# Altium PCB Board.PcbDoc (part 1 of 2)
Units mil, origin at the board's own origin, x right, y up, seen from the top; angles counter-clockwise.
Board outline 3947.04 x 3947.04 mil, 2 copper layers (Top Layer, Bottom Layer); 271 components, 195 nets, 853 pads, 8 vias.
Unrouted connection lines stored in the file: 527.
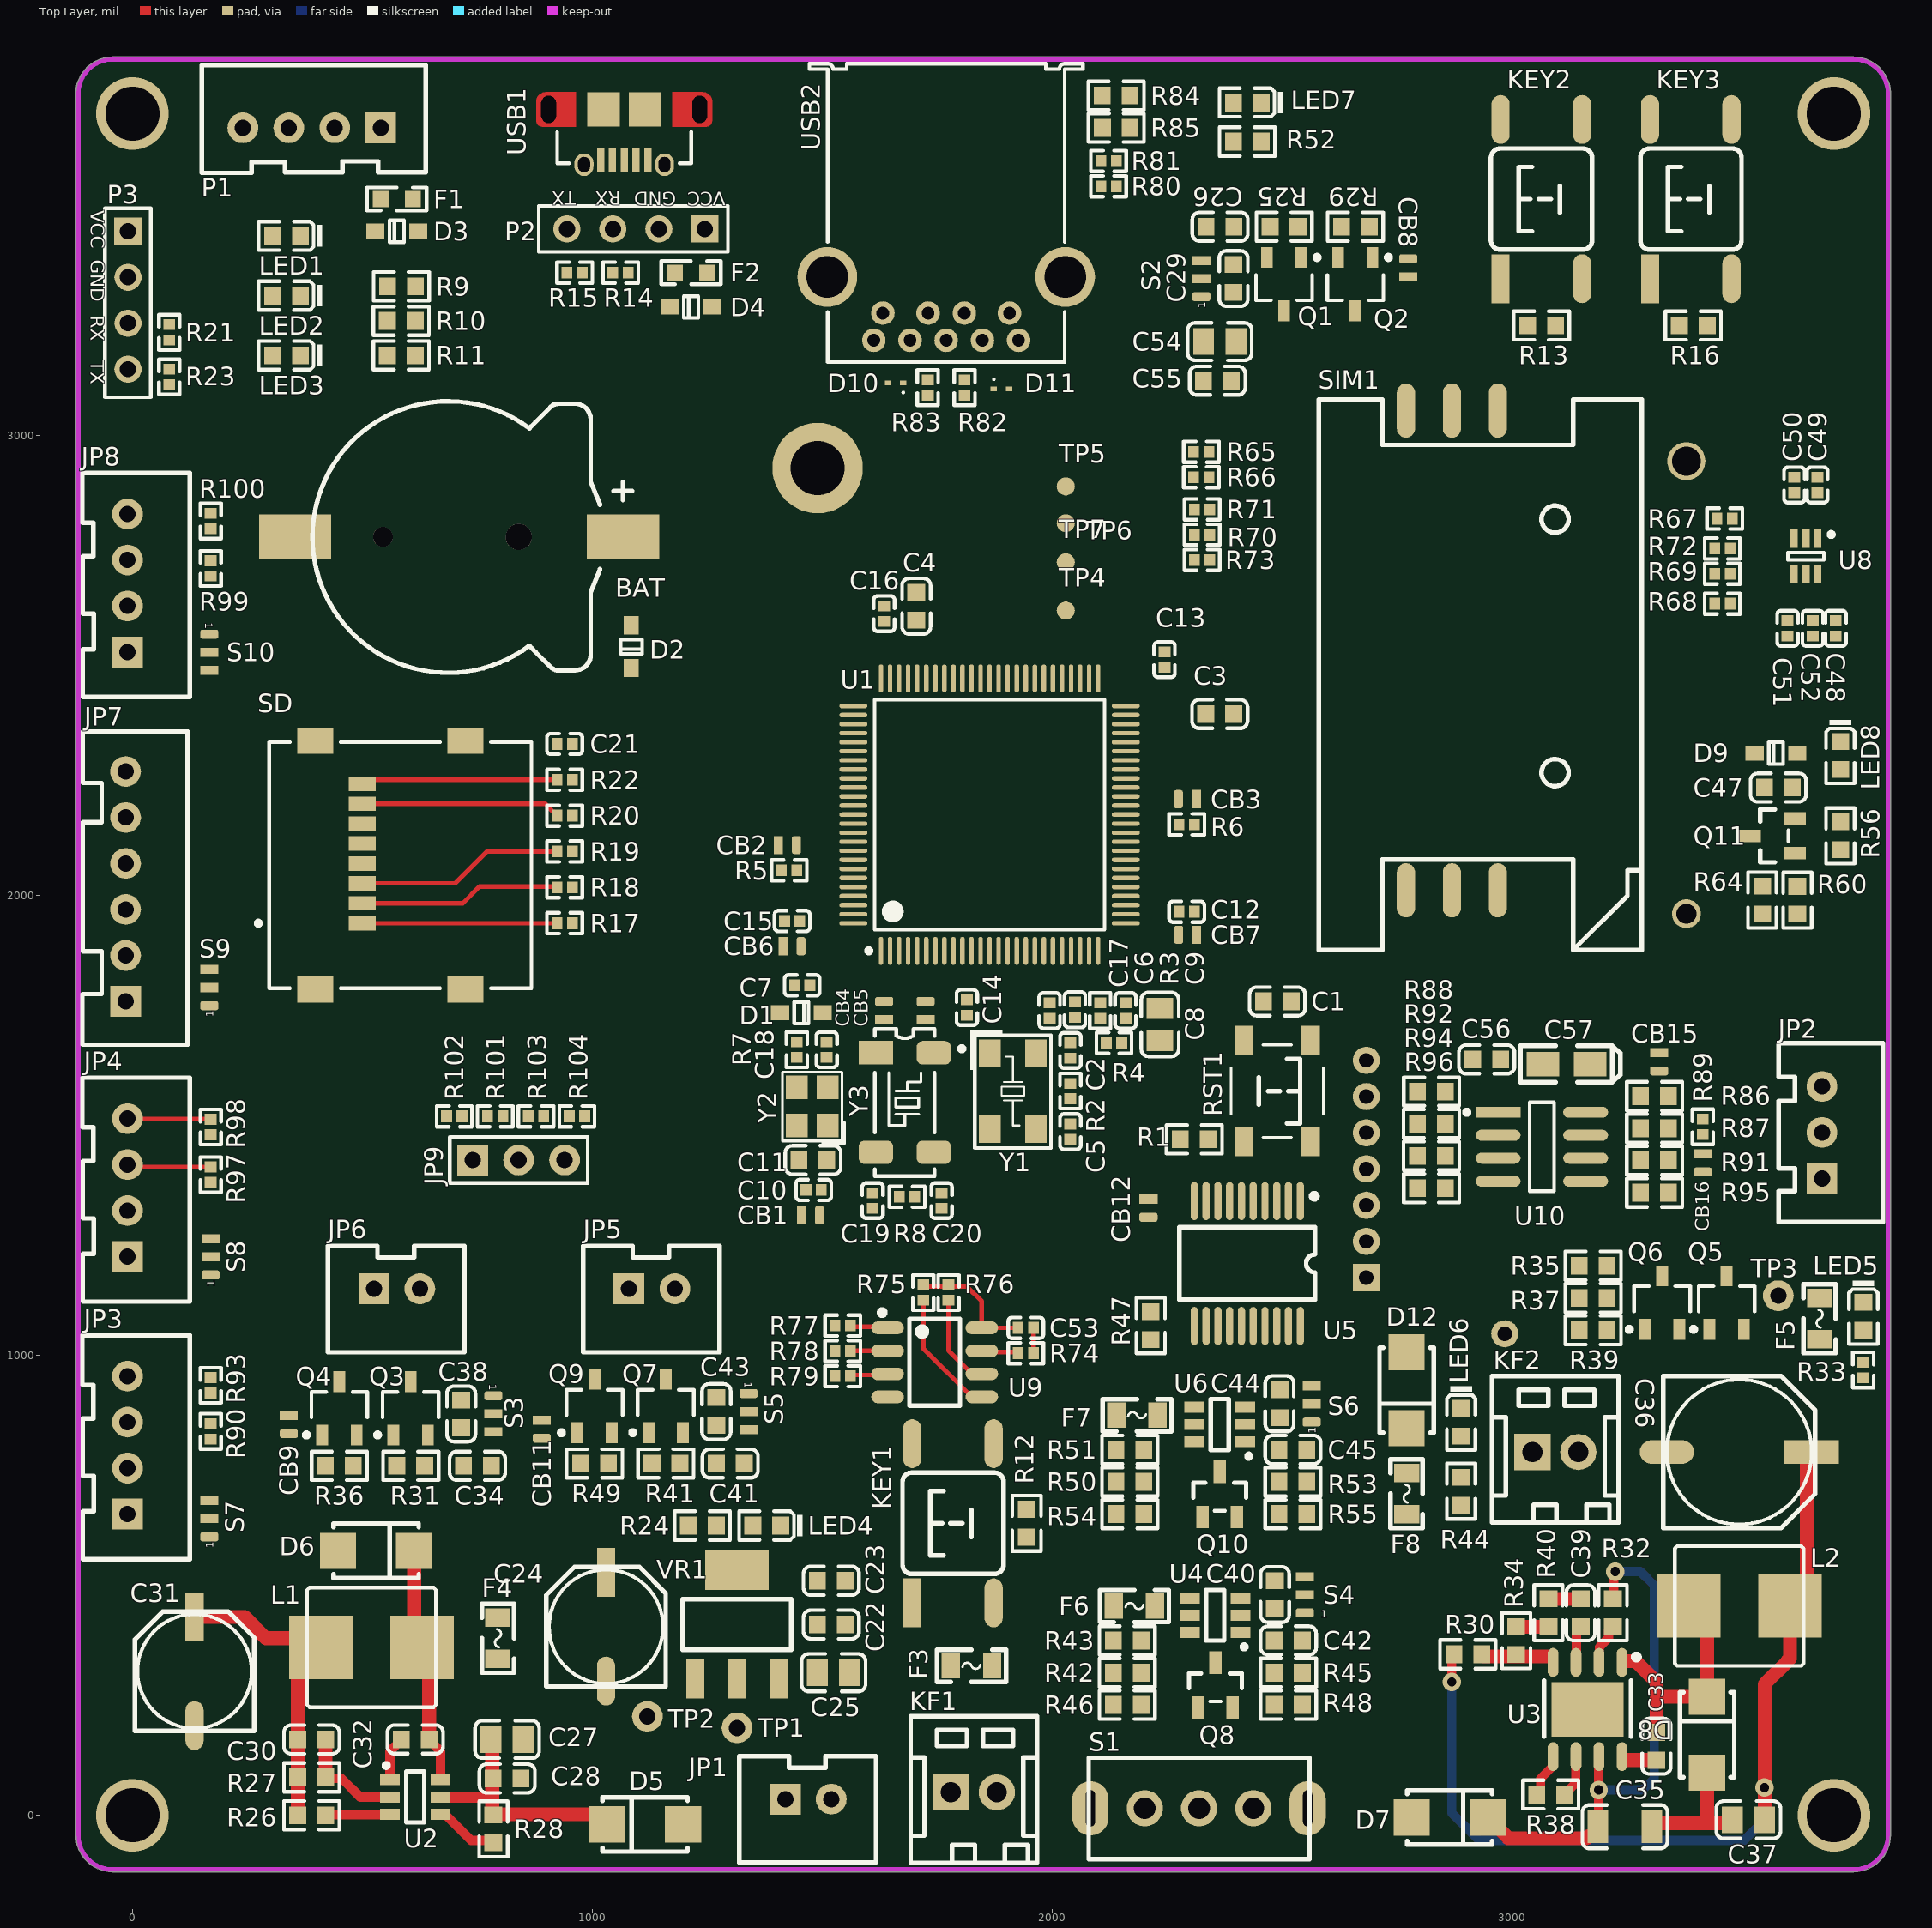
[diagram p0: Top Layer view]
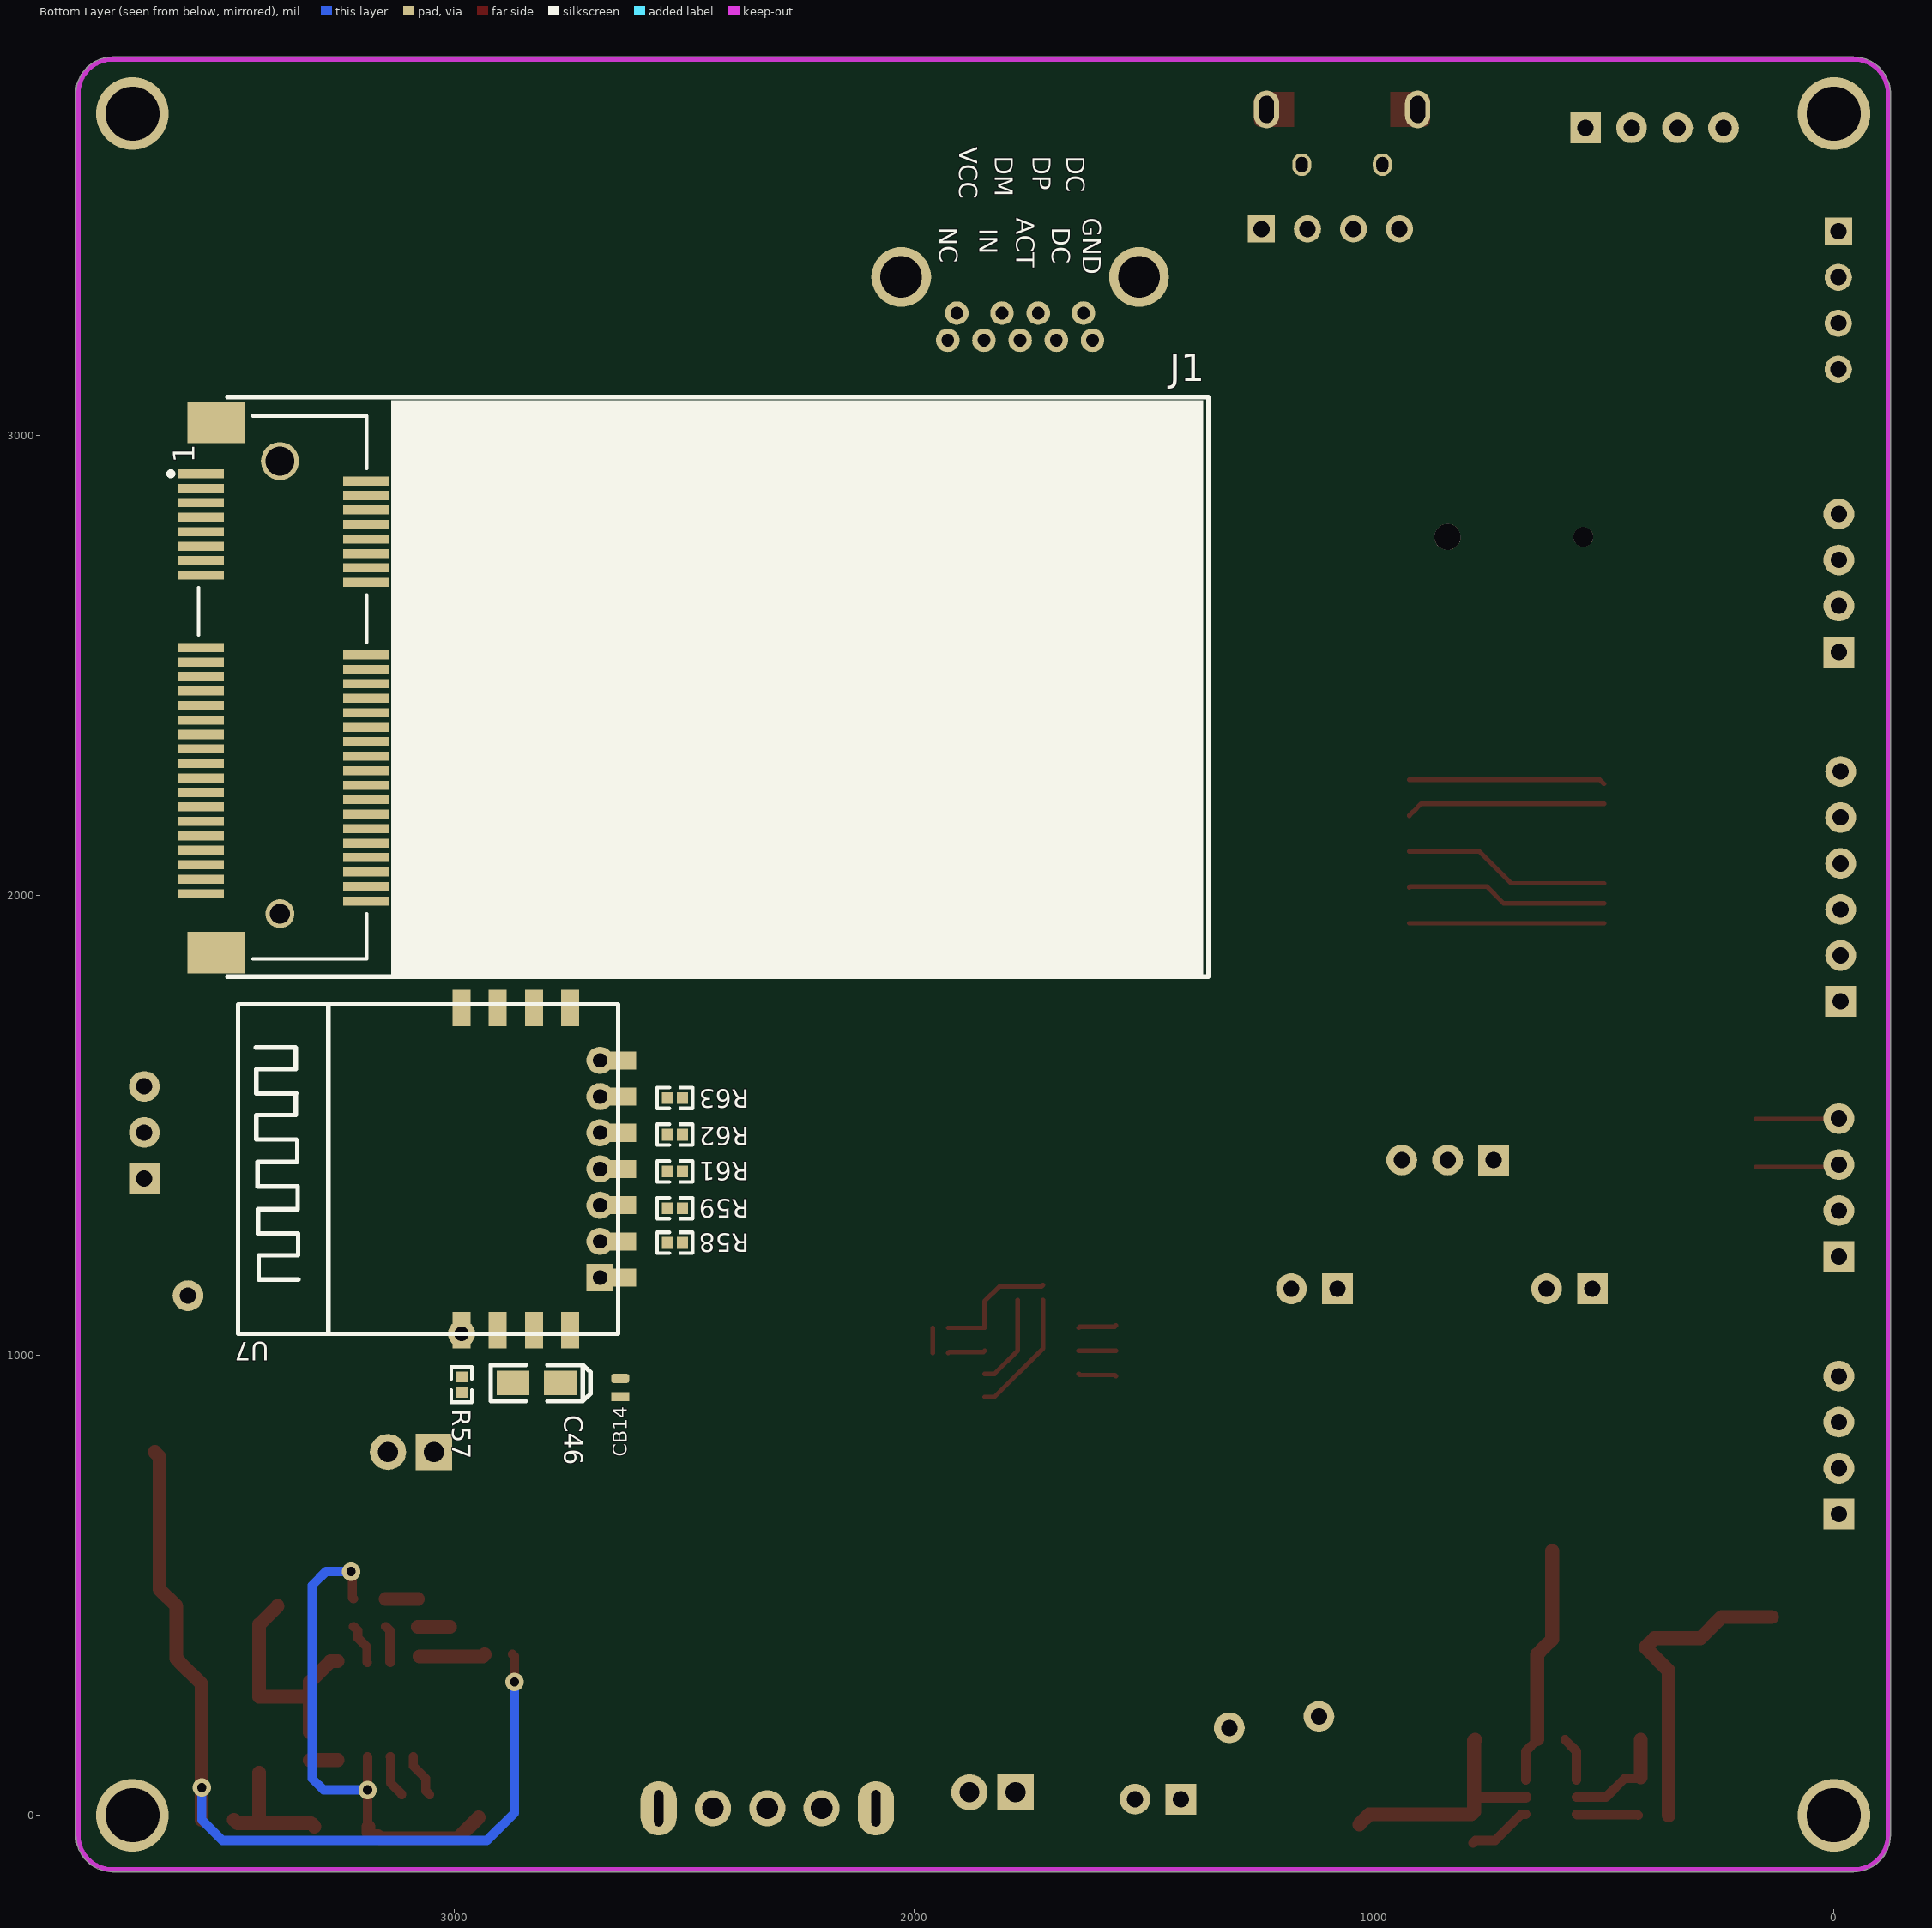
[diagram p1: Bottom Layer view, seen from below]

## Layer stack, top to bottom
Top Solder: solder mask 1, SM-001, Dk 4
Top Layer: signal copper 1.4
Dielectric 1: dielectric 12.6, FR-4, Dk 4.8
Bottom Layer: signal copper 1.4
Bottom Solder: solder mask 1, SM-001, Dk 4

## Board outline
-43.17,-123.13 cw(c-43.11,-43.11) -123.13,-43.11 -123.13,3746.89 cw(c-118.11,3746.89) -123.03,3747.88 cw(c-43.11,3743.9) -43.11,3823.91 3743.9,3823.91 cw(c3743.9,3743.9) 3823.81,3747.88 cw(c3818.9,3746.89) 3823.91,3746.89 3823.91,-43.11 cw(c3743.9,-43.11) 3743.9,-123.13 -43.11,-123.13 cw(c-43.11,-118.11)

## Design rules (kind name [scope] priority, off if disabled: settings)
Clearance [All] p1: gap=5 ignorepadtopadclearanceinfootprint=FALSE
DiffPairsRouting [All] p1: maxlimit=10 minlimit=10 mostfreqgap=10 toplayer_minwidth=15 toplayer_maxwidth=15 toplayer_prefwidth=15 bottomlayer_minwidth=15 bottomlayer_maxwidth=15 bottomlayer_prefwidth=15 maxuncoupledlength=500
HoleSize [All] p1: absolutevalues=TRUE maxlimit=248.03 minlimit=7.87 maxpercent=80.000 minpercent=20.000
HoleToHoleClearance [All] p1: gap=5 allowstackedmicrovias=TRUE
MinimumSolderMaskSliver [All] p1: minsoldermaskwidth=5
PolygonConnect [All] p1: connectstyle=Relief reliefconductorwidth=10 reliefentries=4 polygonreliefangle="90 Angle" airgapwidth=10
RoutingVias [All] p1: holewidth=28 width=50 viastyle="Through Hole" minholewidth=11.81 minwidth=23.62 maxholewidth=28 maxwidth=50
SilkToSilkClearance [All] p1: silktosilkclearance=3
SilkToSolderMaskClearance [IsPad] p1: minsilkscreentomaskgap=5 clearancetoexposedcopper=TRUE
SolderMaskExpansion [All] p1: expansion=4
Width [All] p1: maxlimit=50 minlimit=5 preferedwidth=10
24 further rules are at their usual default settings.

## Classes and differential pairs
component class PWR_F2: C22 C23 C24 C25 C26 C27 C28 C29 C30 C31 C32 C33 C34 C35 C37 C38 C39 C40 C41 C42 C43 C44 C45 CB8 CB9 CB11 CB12 D5 D6 D7 D8 F3 F4 F5 F6 F7 JP1 KF1 L1 L2 LED4 LED5 LED6 LED7 Q1 Q2 Q3 Q4 Q5 Q6 Q7 Q8 Q9 Q10 R24 R25 R26 R27 R28 R29 R30 R31 R32 R33 R34 R35 R36 R37 R38 R39 R40 R41 R42 R43 R44 R45 R46 R47 R48 R49 R50 R51 R52 R53 R54 R55 S1 S2 S3 S4 S5 S6 TP1 TP2 TP3 U2 U3 U4 U5 U6 VR1
component class Device_F2: C53 C54 C55 C56 C57 CB15 CB16 D10 D11 D12 F8 JP2 JP3 JP4 JP5 JP6 JP7 JP8 JP9 KF2 R74 R75 R76 R77 R78 R79 R80 R81 R82 R83 R84 R85 R86 R87 R88 R89 R90 R91 R92 R93 R94 R95 R96 R97 R98 R99 R100 R101 R102 R103 R104 S7 S8 S9 S10 U9 U10 USB2
component class WiFi&4G_F2: C46 C47 C48 C49 C50 C51 C52 CB14 D9 J1 LED8 Q11 R56 R57 R58 R59 R60 R61 R62 R63 R64 R65 R66 R67 R68 R69 R70 R71 R72 R73 SIM1 TP4 TP5 TP6 TP7 U7 U8
component class MCU_F2: BAT C1 C2 C3 C4 C5 C6 C7 C8 C9 C10 C11 C12 C13 C14 C15 C16 C17 C18 C19 C20 C21 CB1 CB2 CB3 CB4 CB5 CB6 CB7 D1 D2 D3 D4 F1 F2 KEY1 KEY2 KEY3 LED1 LED2 LED3 P1 P2 P3 R1 R2 R3 R4 R5 R6 R7 R8 R9 R10 R11 R12 R13 R14 R15 R16 R17 R18 R19 R20 R21 R22 R23 RST1 SD U1 USB1 Y1 Y2 Y3
differential pair USB: +USB_P -USB_N

## Components (designator, comment, footprint, x,y, rotation, side; value= is the part's Value field where it differs from the comment)
BAT "BAT CR1220" CR1220_B 686.73,2780 r0 top
C1 "100nF" 0603_C 2490.32,1770 r180 top
C2 "22pF" 0402_C 2040,1663.39 r90 top
C3 "2.2uF" 0603_C 2365,2395 r180 top
C4 "2.2uF" 0603_C 1705,2629.68 r270 top
C5 "22pF" 0402_C 2040,1486.65 r270 top
C6 "100nF" 0402_C 2050,1751.73 r90 top
C7 "100nF" 0402_C 1456.73,1805 r180 top
C8 "10uF" 0805_C 2235,1719.96 r270 top
C9 "100nF" 0402_C 2160,1750 r270 top
C10 "1nF" 0402_C 1481.73,1360 r180 top
C11 "10uF" 0603_C 1480.32,1425 r180 top
C12 "100nF" 0402_C 2293.27,1965 r0 top
C13 "100nF" 0402_C 2245,2513.27 r90 top
C14 "100nF" 0402_C 1815,1756.73 r270 top
C15 "100nF" 0402_C 1435,1945 r180 top
C16 "100nF" 0402_C 1635,2613.27 r90 top
C17 "100nF" 0402_C 1995,1750 r270 top
C18 "10pF" 0402_C 1510,1665 r90 top
C19 "6pF" 0402_C 1610,1336.73 r270 top
C20 "6pF" 0402_C 1760,1336.73 r270 top
C21 "100nF" 0402_C 940,2330 r180 top
C22 "100nF" 0603_C 1520,414.82 r180 top
C23 "100nF" 0603_C 1520,510 r180 top
C24 "220uF" "CT 6*6 - C" 1030,410 r90 top
C25 "10uF" 0805_C 1525,310 r180 top
C26 "1uF" 0603_C 2365.67,3455 r0 top
C27 "10uF" 0805_C 814.96,164.74 r0 top
C28 "100nF" 0603_C 815,80 r180 top
C29 "1uF" 0603_C 2395,3342.09 r90 top
C30 "100nF" 0603_C 389.68,164.74 r0 top
C31 "220uF" "CT 6*6 - C" 135,313.11 r90 top
C32 "10nF" 0603_C 615,165 r0 top
C33 "100nF" 0603_C 3315,150 r90 top
C34 "1uF" 0603_C 750.32,760 r180 top
C35 "10uF" 1206_C 3246.34,-25 r0 top
C36 "470uF" "CT 8*7 - C" 3495,790 r0 top
C37 "22uF" 0805_C 3515,-10 r0 top
C38 "1uF" 0603_C 715,872.91 r270 top
C39 "220pF" 0603_C 3150,440.32 r270 top
C40 "1nF" 0603_C 2485,480 r90 top
C41 "1uF" 0603_C 1300.32,765 r180 top
C42 "100nF" 0603_C 2514.33,380 r180 top
C43 "1uF" 0603_C 1270,877.91 r270 top
C44 "1nF" 0603_C 2495,895 r90 top
C45 "100nF" 0603_C 2524.33,795 r180 top
C46 "10uF" CASE-A_3216 2821.57,940 r180 bottom
C47 "100nF" 0603_C 3580,2235 r180 top
C48 "100nF" 0402_C 3705,2581.46 r90 top
C49 "33pF" 0402_C 3665,2893.19 r270 top
C50 "33pF" 0402_C 3615,2893.19 r270 top
C51 "33pF" 0402_C 3600,2581.46 r90 top
C52 "33pF" 0402_C 3655,2581.46 r90 top
C53 "100nF" 0402_C 1943.27,1060 r0 top
C54 "10uF" 0805_C 2365.04,3205 r180 top
C55 "100nF" 0603_C 2360,3120 r180 top
C56 "100nF" 0603_C 2945.75,1643.9 r0 top
C57 "10uF" CASE-A_3216 3119.17,1633.9 r0 top
CB1 "CB" CW 1455,1305 r0 top
CB2 "CB" CW 1405,2110 r0 top
CB3 "CB" CW 2314.37,2210 r180 top
CB4 "CB" CW 1635,1730.63 r90 top
CB5 "CB" CW 1725,1730.63 r90 top
CB6 "CB" CW 1415,1890 r0 top
CB7 "CB" CW 2315,1915 r180 top
CB8 "CB" CW 2775,3345.63 r90 top
CB9 "CB" CW 340,869.37 r270 top
CB11 "CB" CW 890,859.37 r270 top
CB12 "CB" CW 2210,1340 r270 top
CB14 "CB" CW 2640,910.63 r90 bottom
CB15 "CB" CW 3320.75,1658.27 r270 top
CB16 "CB" CW 3415.75,1438.27 r270 top
D1 "1N4148" SOD-323 1455,1745 r180 top
D2 "1N4148" SOD-323 1085,2541.46 r90 top
D3 "LESD3Z3.3T1G" SOD-323 575,3445 r0 top
D4 "LESD3Z5.0T1G" SOD-323 1215,3280 r0 top
D5 "SS24" SMA(DO-214AC)_S1 1115,-20 r0 top
D6 "SS24" SMA(DO-214AC)_S1 530,575 r180 top
D7 "SS24" SMA(DO-214AC)_S1 2865,-5 r180 top
D8 "SS24" SMA(DO-214AC)_S1 3425,175 r270 top
D9 "LESD3Z5.0T1G" SOD-323 3575,2310 r0 top
D10 "ESD9L5.0ST5G" ONSC-SOD-923-2-514AB-01_V 1660,3115 r180 top
D11 "ESD9L5.0ST5G" ONSC-SOD-923-2-514AB-01_V 1890,3102.2 r0 top
D12 "SS24" SMA(DO-214AC)_S1 2771.58,924.4 r90 top
F1 "5V 1A" "FU 0603" 575,3515 r0 top
F2 "5V 1A" "FU 0603" 1215,3355 r0 top
F3 "5V 3A" "FU 0805" 1825,325 r180 top
F4 "5V 2A" "FU 0805" 795,385 r270 top
F5 "5V 2A" "FU 0805" 3670,1080 r90 top
F6 "12V 1A" "FU 0805" 2179.37,455 r180 top
F7 "12V 1A" "FU 0805" 2185,870 r180 top
F8 "12V 1A" "FU 0805" 2771.58,699.4 r90 top
J1 "EC25-AU" PCIEmin-i 3380,1960.75 r90 bottom
JP1 "XH-2.56-2P" XH2.54-2P 1420,35 r0 top
JP2 "HDR-1X3" XH2.54-3P 3675,1385 r90 top
JP3 "IIC" XH2.54-4P -11,655 r90 top
JP4 "IIC" XH2.54-4P -11,1215 r90 top
JP5 "XH-2.56-2P" XH2.54-2P 1080,1145 r0 top
JP6 "XH-2.56-2P" XH2.54-2P 525,1145 r0 top
JP7 "SPI" XH2.54-6P -15,1770 r90 top
JP8 "IIC" XH2.54-4P -11,2530 r90 top
JP9 "HDR-1X3" HDR-1X3 740,1425 r0 top
KEY1 "KEY" "TSW SMD-6*6*5" 1785,635 r90 top
KEY2 "KEY" "TSW SMD-6*6*5" 3065,3515 r90 top
KEY3 "KEY" "TSW SMD-6*6*5" 3390,3515 r90 top
KF1 "DC" KF2EDGK-2.54-LI-2P 1830,50.36 r0 top
KF2 "DC" KF2EDGK-2.54-LI-2P 3095,790.36 r0 top
L1 "4.7uH/2.45A" L_0630 520,365 r0 top value=10uH/2.45A
L2 "10uH/2.45A" L_0630 3495,455 r0 top
LED1 "绿灯 0603" 0603_LED_S1 335,3435 r180 top
LED2 "黄灯 0603" 0603_LED_S1 335,3305 r180 top
LED3 "蓝灯 0603" 0603_LED_S1 335,3175 r180 top
LED4 "NC" 0603_LED_S1 1379.69,630 r180 top
LED5 "黄灯 0603" 0603_LED_S1 3765,1085 r270 top
LED6 "NC" 0603_LED_S1 2890,855 r270 top
LED7 "NC" 0603_LED_S1 2425,3725 r180 top
LED8 "蓝灯 0603" 0603_LED_S1 3715,2304.69 r270 top
P1 "JLINK" XH2.54-4P 540,3670 r180 top
P2 "LOG" "HDR-4P UART" 1245,3450 r180 top
P3 "LOG" "HDR-4P UART" -10,3445 r270 top
Q1 "AO3401A" SOT-23-3L 2505,3330 r90 top
Q2 "AO3400A" SOT-23-3L 2660,3330 r90 top
Q3 "AO3401A" SOT-23-3L 605,885 r270 top
Q4 "AO3400A" SOT-23-3L 450,885 r270 top
Q5 "AO3400A" SOT-23-3L 3467.52,1115.02 r270 top
Q6 "AO3400A" SOT-23-3L 3327.52,1115.02 r270 top
Q7 "AO3401A" SOT-23-3L 1160,890 r270 top
Q8 "SS8050" SOT-23(SOT-23-3) 2355.61,282.78 r270 top
Q9 "AO3400A" SOT-23-3L 1005,890 r270 top
Q10 "SS8050" SOT-23(SOT-23-3) 2365,697.78 r270 top
Q11 "SS8050" SOT-23(SOT-23-3) 3566.41,2130 r0 top
R1 "10KΩ" 0603_R 2309.68,1470 r0 top
R2 "NC" 0402_R 2040,1575.02 r90 top value=1MΩ
R3 "0Ω" 0402_R 2105,1750 r90 top
R4 "10Ω" 0402_R 2135,1680 r0 top
R5 "10KΩ" 0402_R 1428.27,2055 r180 top
R6 "10KΩ" 0402_R 2293.27,2155 r0 top
R7 "NC" 0402_R 1445,1665 r90 top
R8 "NC" 0402_R 1685,1345 r0 top value=1MΩ
R9 "4.7KΩ" 0603_R 585,3325 r180 top
R10 "4.7KΩ" 0603_R 584.68,3250 r180 top
R11 "4.7KΩ" 0603_R 584.68,3175 r180 top
R12 "4.7KΩ" 0603_R 1945,635 r270 top
R13 "4.7KΩ" 0603_R 3065,3240 r0 top
R14 "10Ω" 0402_R 1061.73,3355 r0 top
R15 "10Ω" 0402_R 961.73,3355 r0 top
R16 "4.7KΩ" 0603_R 3395,3240 r0 top
R17 "47KΩ" 0402_R 940,1940 r180 top
R18 "47KΩ" 0402_R 940,2018 r180 top
R19 "47KΩ" 0402_R 940,2096 r180 top
R20 "47KΩ" 0402_R 940,2174 r180 top
R21 "10Ω" 0402_R 80,3225 r270 top
R22 "47KΩ" 0402_R 940,2252 r180 top
R23 "10Ω" 0402_R 80,3128.27 r270 top
R24 "NC" 0603_R 1239.69,630 r180 top
R25 "100KΩ" 0603_R 2505,3455 r180 top
R26 "49.9KΩ" 0603_R 389.69,-0.26 r0 top
R27 "9.53KΩ" 0603_R 389.69,82.24 r0 top
R28 "100KΩ" 0603_R 785,-30 r90 top
R29 "100KΩ" 0603_R 2660,3455 r0 top
R30 "124KΩ" 0603_R 2904.69,350 r180 top
R31 "100KΩ" 0603_R 605.31,760 r0 top
R32 "100KΩ" 0603_R 3220,440.32 r270 top
R33 "10KΩ" 0402_R 3765,968.27 r90 top
R34 "40.2KΩ" 0603_R 3010,379.69 r270 top
R35 "100KΩ" 0603_R 3177.2,1195.02 r0 top
R36 "100KΩ" 0603_R 450,760 r180 top
R37 "10KΩ" 0603_R 3177.2,1125.02 r0 top
R38 "200KΩ" 0603_R 3085,45 r180 top
R39 "100KΩ" 0603_R 3177.2,1055.02 r0 top
R40 "68.1KΩ" 0603_R 3080,440.31 r90 top
R41 "100KΩ" 0603_R 1160.31,765 r0 top
R42 "51KΩ" 0603_R 2163.74,310 r180 top
R43 "100KΩ" 0603_R 2163.74,380 r180 top
R44 "10KΩ" 0603_R 2890,704.69 r270 top
R45 "4.7KΩ" 0603_R 2514.33,310 r0 top
R46 "4.7KΩ" 0603_R 2163.74,240 r0 top
R47 "4.7KΩ" 0603_R 2215,1065 r270 top
R48 "47KΩ" 0603_R 2514.33,240 r0 top
R49 "100KΩ" 0603_R 1005,765 r180 top
R50 "51KΩ" 0603_R 2169.37,725 r180 top
R51 "100KΩ" 0603_R 2169.37,795 r180 top
R52 "4.7KΩ" 0603_R 2425,3640 r180 top
R53 "4.7KΩ" 0603_R 2524.33,725 r0 top
R54 "4.7KΩ" 0603_R 2169.37,655 r0 top
R55 "47KΩ" 0603_R 2524.33,655 r0 top
R56 "4.7KΩ" 0603_R 3715,2130 r270 top
R57 "0Ω" 0402_R 2985,936.73 r90 bottom
R58 "0Ω" 0402_R 2521.1,1245 r0 bottom
R59 "0Ω" 0402_R 2521.1,1320 r0 bottom
R60 "4.7KΩ" 0603_R 3621.41,1990 r90 top
R61 "0Ω" 0402_R 2521.1,1400 r0 bottom
R62 "0Ω" 0402_R 2521.1,1480 r0 bottom
R63 "0Ω" 0402_R 2521.1,1560 r0 bottom
R64 "4.7KΩ" 0603_R 3545,1990.31 r90 top
R65 "10KΩ" 0402_R 2325,2965 r180 top
R66 "22Ω" 0402_R 2325,2910 r180 top
R67 "15KΩ" 0402_R 3463.27,2820 r180 top
R68 "22Ω" 0402_R 3458.27,2635 r0 top
R69 "22Ω" 0402_R 3458.27,2700 r0 top
R70 "22Ω" 0402_R 2326.73,2785 r180 top
R71 "22Ω" 0402_R 2326.73,2840 r180 top
R72 "22Ω" 0402_R 3458.27,2755 r0 top
R73 "22Ω" 0402_R 2326.73,2730 r180 top
R74 "10KΩ" 0402_R 1943.27,1005 r180 top
R75 "4.7KΩ" 0402_R 1720,1136.73 r270 top
R76 "4.7KΩ" 0402_R 1775,1136.73 r270 top
R77 "10KΩ" 0402_R 1545,1065 r180 top
R78 "10KΩ" 0402_R 1545,1010 r180 top
R79 "10KΩ" 0402_R 1545,955 r180 top
R80 "10KΩ" 0402_R 2123.19,3542.64 r0 top
R81 "10KΩ" 0402_R 2123.19,3597.64 r0 top
R82 "0Ω" 0402_R 1810,3105 r90 top
R83 "0Ω" 0402_R 1730,3105 r90 top
R84 "NC" 0603_R 2139.68,3740 r180 top
R85 "0Ω" 0603_R 2140,3670 r180 top
R86 "4.7KΩ" 0603_R 3310.75,1563.9 r0 top
R87 "10Ω" 0603_R 3310.75,1493.9 r0 top
R88 "22Ω" 0603_R 2825.75,1573.9 r0 top
R89 "120Ω" 0402_R 3415.75,1497.17 r90 top
R90 "4.7KΩ" 0402_R 170,835 r90 top
R91 "10Ω" 0603_R 3310.75,1423.9 r0 top
R92 "10KΩ" 0603_R 2825.43,1503.9 r0 top
R93 "4.7KΩ" 0402_R 170,935 r90 top
R94 "10KΩ" 0603_R 2825.43,1433.9 r0 top
R95 "4.7KΩ" 0603_R 3310.75,1353.9 r180 top
R96 "22Ω" 0603_R 2825.75,1363.9 r0 top
R97 "4.7KΩ" 0402_R 170,1393.27 r90 top
R98 "4.7KΩ" 0402_R 170,1496.73 r90 top
R99 "4.7KΩ" 0402_R 170,2711.73 r90 top
R100 "4.7KΩ" 0402_R 170,2815 r90 top
R101 "0Ω" 0402_R 788.91,1520 r180 top
R102 "NC" 0402_R 700,1520 r180 top value=0Ω
R103 "0Ω" 0402_R 877.82,1520 r0 top
R104 "NC" 0402_R 966.73,1520 r0 top value=0Ω
RST1 "KEY" "TSW SMD-4*4*1.5" 2490,1575 r270 top
S1 "SW" "SS-12F23 (1P2T)  Straight foot" 2320,15 r180 top
S2 "SW" SWITCH_SPOT 2324.98,3302.72 r90 top
S3 "SW" SWITCH_SPOT 785,912.28 r270 top
S4 "SW" SWITCH_SPOT 2550,440 r90 top
S5 "SW" SWITCH_SPOT 1340,917.28 r270 top
S6 "SW" SWITCH_SPOT 2565,855 r90 top
S7 "SW" SWITCH_SPOT 167.11,605.63 r90 top
S8 "SW" SWITCH_SPOT 170,1175 r90 top
S9 "SW" SWITCH_SPOT 167.11,1760.63 r90 top
S10 "SW" SWITCH_SPOT 167.11,2568.74 r270 top
SD "MicroSD Card" MOLX-47219-2001-8_V 561.02,2066.26 r90 top
SIM1 "SIM Card" "SIM Card" 2970,2011.69 r270 top
TP1 "TP" TP-SM-C-100-PIN 1315,190 r0 top
TP2 "TP" TP-SM-C-100-PIN 1120,215 r90 top
TP3 "TP" TP-SM-C-100-PIN 3580,1130 r90 top
TP4 "TP" TP-SM-C-100 2030,2620 r180 top
TP5 "TP" TP-SM-C-100 2030,2890 r180 top
TP6 "TP" TP-SM-C-100 2030,2810 r180 top
TP7 "TP" TP-SM-C-100 2030,2725 r180 top
U1 "STM32F407VGT6" STM-LQFP100_L 1864.37,2176.26 r90 top
U2 "MP2359DJ-LF-Z" SOT-23-6 615,39.43 r180 top
U3 "MP1584EN" SOIC-8_EP_150mil 3165,230 r180 top
U4 "FDC6330L" SOT-23-6 2355,435 r0 top
U5 "74HC573D" SSOP-20_208mil 2425,1200 r180 top
U6 "FDC6330L" SOT-23-6 2365,850 r0 top
U7 "WIFI" MT8266WIFI-H 2644.45,1755.79 r0 bottom
U8 "SMF05CT1G" SC-70-6(SOT-363) 3640,2738.19 r270 top
U9 "AT24C256C" SOIC-8_150mil 1745,985 r270 top
U10 "MAX13487EESA+" FP-S8-2-IPC_A 3065.75,1453.9 r0 top
USB1 "MicroUSB" MOLX-47589-0001 1069.72,3710 r180 top
USB2 "USB 3.0" USB3.0-i 1770,3485 r180 top
VR1 "AMS1117-3.3" SOT-223 1315,415 r270 top
Y1 "8MHz" XTAL-5032-4P 1915,1575 r270 top
Y2 "32.768KHz" XTAL-3225-4P 1478.46,1541.34 r90 top
Y3 "32.768KHz" "OSC MC-306" 1680,1550 r270 top

## Footprints (in the part's own frame and the unit in brackets; to place one, negate y for a bottom-side part, rotate by r counter-clockwise, add the part's x,y. Pads: shape width x height; smd on the part's side, far side on the other; paste and mask are expansions set on the pad)
0402_C [mm]
  rect 0.6x0.65 smd mask+0.051: 1(-0.425,0) 2(0.425,0)
  silkscreen extent -0.97,-0.58 0.97,0.58, body extent -0.48,-0.3 0.52,0.3, height 0.2
0402_R [mm]
  rect 0.6x0.65 smd mask+0.051: 1(-0.425,0) 2(0.425,0)
  silkscreen extent -0.97,-0.58 0.97,0.58, body extent -0.57,-0.27 0.58,0.28, height 0.41
0603_C [mm]
  rect 0.93x0.98 smd: 1(-0.77,0) 2(0.77,0)
  silkscreen extent -1.53,-0.79 1.54,0.79, body extent -0.8,-0.4 0.8,0.4, height 0.3
0603_LED_S1 [mm]
  rect 0.93x0.98 smd: A(0.77,0) K(-0.77,0)
  silkscreen extent -1.98,-0.79 1.54,0.79, body extent -0.8,-0.4 0.8,0.4, height 0.6
0603_R [mm]
  rect 0.93x0.98 smd: 1(-0.77,0) 2(0.77,0)
  silkscreen extent -1.53,-0.79 1.54,0.79, body extent -0.85,-0.4 0.85,0.4, height 0.56
0805_C [mm]
  rect 1.16x1.47 smd: 1(-0.89,0) 2(0.89,0)
  silkscreen extent -1.77,-1.04 1.77,1.04, body extent -1,-0.62 1,0.63, height 0.77
1206_C [mm]
  rect 1.13x1.8 smd: 1(-1.49,0) 2(1.49,0)
  silkscreen extent -2.36,-1.2 2.35,1.2, body extent -1.6,-0.81 1.6,0.79, height 1
CASE-A_3216 [mm]
  rect 1.8x1.35 smd: 1(1.31,0) 2(-1.31,0)
  silkscreen extent -2.54,-1 2.97,1, body extent -1.7,-0.84 1.7,0.84, height 1.71
CR1220_B [mm] "纽扣电池座"
  round 1.1 hole 1.1: 0(-3.6,0)
  round 1.45 hole 1.45: 0(3.9,0)
  rect 4x2.5 smd: 1(9.652,0) 2(-8.458,0)
  silkscreen extent -7.5,-7.5 10.16,7.5, body extent -9.42,-7.45 10.34,7.45, height 4.05
"CT 6*6 - C" [mm] "直径6mm，高6mm"
  rect 2.7x1 smd: 1(3,0)
  oval 2.7x1 smd: 2(-3,0)
  silkscreen extent -3.3,-3.3 3.3,3.3, body extent -3.5,-3.15 3.5,3.15, height 6
"CT 8*7 - C" [mm] "直径8mm，高7mm"
  rect 3x1.3 smd: 1(4,0)
  oval 3x1.3 smd: 2(-4,0)
  silkscreen extent -4.2,-4.2 4.2,4.2, body extent -4.5,-4.15 4.5,4.15, height 7
CW [mm]
  rect 0.5x1 smd: 1(0,0)
  rrect50% 0.5x1 smd: 2(1,0)
FP-S8-2-IPC_A [mil]
  rect 97.4x23.89 smd paste+0 mask+0: 1(-95.12,75)
  rrect100% 97.4x23.89 smd paste+0 mask+0: 2(-95.12,25) 3(-95.12,-25) 4(-95.12,-75) 5(95.12,-75) 6(95.12,-25) 7(95.12,25) 8(95.12,75)
  silkscreen extent -168,-96 27,96, body extent -164,-116 164,116, height 10
"FU 0603" [mil] "贴片保险丝"
  rect 35x35 smd: 1(-35,0) 2(35,0)
  silkscreen extent -65,-25 65,25, body extent -31,-16 31,16, height 20
"FU 0805" [mil] "贴片保险丝"
  rect 40x55 smd: 1(-45,0) 2(45,0)
  silkscreen extent -75,-35 75,35, body extent -39,-24 39,24, height 20
HDR-1X3 [mm] "排针，3脚"
  rect 1.7x1.7 hole 0.9: 1(0,0)
  round 1.7 hole 0.9: 2(2.54,0) 3(5.08,0)
  silkscreen extent -1.27,-1.27 6.35,1.27, body extent -1.27,-1.27 6.35,1.27, height 8.5
"HDR-4P UART" [mm] "Connector; Header; 4 Position"
  rect 1.5x1.5 hole 0.9: 1(0,0)
  round 1.5 hole 0.9: 2(2.54,0) 3(5.08,0) 4(7.62,0)
  silkscreen extent -1.27,-1.27 9.17,1.27, body extent -1.27,-1.27 8.89,1.27, height 8.5
KF2EDGK-2.54-LI-2P [mm] "长：6.93mm，宽：8.1mm，高：10.1mm"
  rect 2x2 hole 1.1: 1(-1.27,-0.009)
  round 2 hole 1.1: 2(1.27,-0.009)
  silkscreen extent -3.49,-3.91 3.49,4.19, body extent -3.49,-3.91 3.49,4.19, height 10.15
L_0630 [mm] "AMPI063 0ED; 6.6*7.1*0.3"
  rect 3.5x3.5 smd: 1(-2.794,0) 2(2.8,0)
  silkscreen extent -3.56,-3.3 3.56,3.3, body extent -3.56,-3.56 3.56,3.56, height 4
MOLX-47219-2001-8_V [mm] "CONN, 8-Leads, Body 14.5x13.6mm, Pitch 1.1mm"
  rect 0.8x1.5 smd: 1(-3.205,1.55) 2(-2.105,1.55) 3(-1.005,1.55) 4(0.095,1.55) 5(1.195,1.55) 6(2.295,1.55) 7(3.395,1.55) 8(4.495,1.55)
  rect 1.45x2 smd: 9(6.875,4.15) 10(6.875,-4.15) 11(-6.875,-4.15) 12(-6.875,4.15)
  silkscreen extent -6.8,-7.8 6.8,7.42, body extent -7.3,-7.79 7.3,6.71, height 1.91
MOLX-47589-0001 [mm] "Micro USB 2.0 Type AB ，USB SMD, 5-Leads, Body 7.5x5.6mm, Pitch 0.65mm"
  rect 0.4x1.35 smd: 1(-1.3,2.805) 2(-0.65,2.805) 3(0,2.805) 4(0.65,2.805) 5(1.3,2.805)
  round 0 / inner oval 1.4x2.1 / far side oval 1.4x2.1 hole 0.825 slot 1.5 at 90 deg: Shell(-4.175,0)
  oval 1.05x1.25 hole 0.65 slot 0.85 at 90 deg: Shell(-2.225,3.055) Shell(2.225,3.055)
  rect 1.8x1.9 smd: Shell(-1.15,0) Shell(1.15,0)
  round 0 / inner round 0 / far side oval 1.4x2.1 hole 0.825 slot 1.5 at 90 deg: Shell(4.175,0)
  Top Layer region: -4.353,-0.95 -4.544,-0.912 -4.706,-0.804 -4.814,-0.641 -4.852,-0.45 -4.852,-0.45 -4.852,0.65 -4.83,0.765 -4.765,0.862 -4.667,0.927 -4.553,0.95 -4.553,0.95 -2.668,0.95 -2.668,-0.95
  Top Layer region: 4.353,-0.95 4.544,-0.912 4.706,-0.804 4.814,-0.641 4.852,-0.45 4.852,-0.45 4.852,0.65 4.83,0.765 4.765,0.862 4.667,0.927 4.553,0.95 4.553,0.95 2.668,0.95 2.668,-0.95
  silkscreen extent -3.7,1.25 3.7,2.97, body extent -4.3,-2.64 4.3,3.23, height 2.76
MT8266WIFI-H [mm] "Anylink-ESP8266"
  rect 2x1 smd: 1(0,14.9) 2(0,12.9) 3(0,10.9) 4(0,8.9) 5(0,6.9) 6(0,4.9) 7(0,2.9)
  rect 1.5x1.5 hole 0.8: 1(1,14.896)
  round 1.5 hole 0.8: 2(1,12.896) 3(1,10.896) 4(1,8.896) 5(1,6.896) 6(1,4.896) 7(1,2.896) 12(8.65,18)
  rect 1x2 smd: 8(2.65,0) 9(4.65,0) 10(6.65,0) 11(8.65,0) 12(8.65,17.8) 13(6.65,17.8) 14(4.65,17.8) 15(2.65,17.8)
  silkscreen extent 0,-0.2 21,18
ONSC-SOD-923-2-514AB-01_V [mm] "SOD, 2-Leads, Body 0.8x0.6mm"
  rect 0.36x0.25 smd: 1(-0.42,0) 2(0.42,0)
  silkscreen extent -0.47,0.48 -0.37,0.57, body extent -0.4,-0.3 0.4,0.3, height 0.4
"OSC MC-306" [mm] "8mm*3.2mm*2.54mm(长*宽*高)"
  rect 1.3x1.9 smd: 1(-2.75,-1.6)
  rrect50% 1.3x1.9 smd: 2(2.75,-1.6) 3(2.75,1.6) 4(-2.75,1.6)
  silkscreen extent -4.06,-1.65 4.06,1.65, body extent -4,-1.63 4,1.63, height 2.56
PCIEmin-i [mm]
  rect 0.5x2.5 smd: 1(24.3,4.35) 2(23.9,-4.75) 3(23.5,4.35) 4(23.1,-4.75) 5(22.7,4.35) 6(22.3,-4.75) 7(21.9,4.35) 8(21.5,-4.75) 9(21.1,4.35) 10(20.7,-4.75) 11(20.3,4.35) 12(19.9,-4.75) 13(19.5,4.35) 14(19.1,-4.75) 15(18.7,4.35) 16(18.3,-4.75) 17(14.7,4.35) 18(14.3,-4.75) 19(13.9,4.35) 20(13.5,-4.75) 21(13.1,4.35) 22(12.7,-4.75) 23(12.3,4.35) 24(11.9,-4.75) 25(11.5,4.35) 26(11.1,-4.75) 27(10.7,4.35) 28(10.3,-4.75) 29(9.9,4.35) 30(9.5,-4.75) 31(9.1,4.35) 32(8.7,-4.75) 33(8.3,4.35) 34(7.9,-4.75) 35(7.5,4.35) 36(7.1,-4.75) 37(6.7,4.35) 38(6.3,-4.75) 39(5.9,4.35) 40(5.5,-4.75) 41(5.1,4.35) 42(4.7,-4.75) 43(4.3,4.35) 44(3.9,-4.75) 45(3.5,4.35) 46(3.1,-4.75) 47(2.7,4.35) 48(2.3,-4.75) 49(1.9,4.35) 50(1.5,-4.75) 51(1.1,4.35) 52(0.7,-4.75)
  rect 2.3x3.2 smd: 53(27.133,3.512) 54(-2.15,3.5)
  round 2.1 hole 1.6: MH1(25,0)
  round 1.6 hole 1.1: MH2(0,0)
  round 5 hole 3: MH3(24.616,-48)
  silkscreen extent -3.47,-51.31 28.54,6.15, body extent -2.49,-4.8 27.51,4.5, height 9.9
SC-70-6(SOT-363) [mm]
  rect 1x0.42 smd mask+0.051: 1(-0.97,0.65) 2(-0.97,0) 3(-0.97,-0.65) 4(0.97,-0.65) 5(0.97,0) 6(0.97,0.65)
  silkscreen extent -1.32,-1 0.2,1.53, body extent -1.2,-1.1 1.2,1.1, height 1.1
"SIM Card" [mm] "MUP , 6P"
  oval 3x1 smd: 1(-26.5,-5.08) 2(-26.5,-2.54) 3(-26.5,0) 4(0,-5.08) 5(0,-2.54) 6(0,0)
  silkscreen extent -27.1,-9.89 3.3,7.96, body extent -26.48,-9.85 3.16,7.35, height 2.6
SMA(DO-214AC)_S1 [mm]
  rect 2x2 smd: 1(2.1,0) 2(-2.1,0)
  silkscreen extent -2.35,-1.5 2.35,1.5, body extent -2.52,-1.4 2.52,1.4, height 2.29
SOD-323 [mm]
  rect 1x0.83 smd: 1(1.18,0) 2(-1.18,0)
  silkscreen extent -0.4,-0.6 0.4,0.6, body extent -1.35,-0.62 1.35,0.63, height 1.1
SOIC-8_150mil [mm]
  oval 0.7x1.8 smd: 1(-1.905,-2.6) 2(-0.635,-2.6) 3(0.635,-2.6) 4(1.905,-2.6) 5(1.905,2.6) 6(0.635,2.6) 7(-0.635,2.6) 8(-1.905,2.6)
  silkscreen extent -2.9,-3.05 2.4,1.4, body extent -2.5,-3.1 2.5,3.1, height 1.75
SOIC-8_EP_150mil [mm]
  rect 4x3 smd: 0(0,0)
  oval 0.6x1.6 smd: 1(-1.905,-2.6) 2(-0.635,-2.6) 3(0.635,-2.6) 4(1.905,-2.6) 5(1.905,2.6) 6(0.635,2.6) 7(-0.635,2.6) 8(-1.905,2.6)
  silkscreen extent -2.85,-3.05 2.4,1.5, body extent -2.5,-3.1 2.5,3.1, height 1.75
SOT-23(SOT-23-3) [mm]
  rect 1.25x0.7 smd: 1(1.25,-0.95) 2(1.25,0.95) 3(-1.25,0)
  silkscreen extent -0.65,-1.46 0.9,1.46, body extent -1.5,-1.5 1.5,1.5, height 1.3
SOT-23-3L [mm] "http://www.aosmd.com/res/packaging_information/SOT-23-3L.pdf"
  rect 1.15x0.65 smd: 1(1.475,-0.95) 2(1.475,0.95) 3(-1.475,0)
  silkscreen extent -0.9,-1.95 1.6,1.55, body extent -0.9,-1.55 0.9,1.55, height 1.25
SOT-23-6 [mm]
  rect 1.1x0.6 smd: 1(1.4,-0.95) 2(1.4,0) 3(1.4,0.95) 4(-1.4,0.95) 5(-1.4,0) 6(-1.4,-0.95)
  silkscreen extent -0.5,-1.87 1.72,1.4, body extent -1.4,-1.45 1.4,1.45, height 1.45
SOT-223 [mm]
  rect 2.2x1 smd: 1(3,-2.3) 2(3,0) 3(3,2.3)
  rect 2.2x3.5 smd: 2(-3,0)
  silkscreen extent -1.4,-3 1.4,3, body extent -3.49,-3.24 3.49,3.24, height 1.64
"SS-12F23 (1P2T)  Straight foot" [mm] "脚距3mm"
  oval 2x3 hole 0.5 slot 2 at 90 deg: 0(-6,0) 0(6,0)
  round 2 hole 1.2: 1(-3,0) 2(0,0) 3(3,0)
  silkscreen extent -6.1,-2.8 6.1,2.8, body extent -7,-3.1 7,3.1, height 9.65
SSOP-20_208mil [mm]
  oval 0.4x2.1 smd mask+0.051: 1(-2.925,-3.45) 2(-2.275,-3.45) 3(-1.625,-3.45) 4(-0.975,-3.45) 5(-0.325,-3.45) 6(0.325,-3.45) 7(0.975,-3.45) 8(1.625,-3.45) 9(2.275,-3.45) 10(2.925,-3.45) 11(2.925,3.45) 12(2.275,3.45) 13(1.625,3.45) 14(0.975,3.45) 15(0.325,3.45) 16(-0.325,3.45) 17(-0.975,3.45) 18(-1.625,3.45) 19(-2.275,3.45) 20(-2.925,3.45)
  silkscreen extent -3.85,-3.86 3.75,2, body extent -3.22,-3.25 3.28,3.15, height 1.03
STM-LQFP100_L [mm] "Thin QFP, 100-Leads, Body 14x14mm, Pitch 0.5mm, IPC High Density"
  oval 1.55x0.25 smd: 1(-7.525,6) 2(-7.525,5.5) 3(-7.525,5) 4(-7.525,4.5) 5(-7.525,4) 6(-7.525,3.5) 7(-7.525,3) 8(-7.525,2.5) 9(-7.525,2) 10(-7.525,1.5) 11(-7.525,1) 12(-7.525,0.5) 13(-7.525,0) 14(-7.525,-0.5) 15(-7.525,-1) 16(-7.525,-1.5) 17(-7.525,-2) 18(-7.525,-2.5) 19(-7.525,-3) 20(-7.525,-3.5) 21(-7.525,-4) 22(-7.525,-4.5) 23(-7.525,-5) 24(-7.525,-5.5) 25(-7.525,-6) 51(7.525,-6) 52(7.525,-5.5) 53(7.525,-5) 54(7.525,-4.5) 55(7.525,-4) 56(7.525,-3.5) 57(7.525,-3) 58(7.525,-2.5) 59(7.525,-2) 60(7.525,-1.5) 61(7.525,-1) 62(7.525,-0.5) 63(7.525,0) 64(7.525,0.5) 65(7.525,1) 66(7.525,1.5) 67(7.525,2) 68(7.525,2.5) 69(7.525,3) 70(7.525,3.5) 71(7.525,4) 72(7.525,4.5) 73(7.525,5) 74(7.525,5.5) 75(7.525,6)
  oval 0.25x1.55 smd: 26(-6,-7.525) 27(-5.5,-7.525) 28(-5,-7.525) 29(-4.5,-7.525) 30(-4,-7.525) 31(-3.5,-7.525) 32(-3,-7.525) 33(-2.5,-7.525) 34(-2,-7.525) 35(-1.5,-7.525) 36(-1,-7.525) 37(-0.5,-7.525) 38(0,-7.525) 39(0.5,-7.525) 40(1,-7.525) 41(1.5,-7.525) 42(2,-7.525) 43(2.5,-7.525) 44(3,-7.525) 45(3.5,-7.525) 46(4,-7.525) 47(4.5,-7.525) 48(5,-7.525) 49(5.5,-7.525) 50(6,-7.525) 76(6,7.525) 77(5.5,7.525) 78(5,7.525) 79(4.5,7.525) 80(4,7.525) 81(3.5,7.525) 82(3,7.525) 83(2.5,7.525) 84(2,7.525) 85(1.5,7.525) 86(1,7.525) 87(0.5,7.525) 88(0,7.525) 89(-0.5,7.525) 90(-1,7.525) 91(-1.5,7.525) 92(-2,7.525) 93(-2.5,7.525) 94(-3,7.525) 95(-3.5,7.525) 96(-4,7.525) 97(-4.5,7.525) 98(-5,7.525) 99(-5.5,7.525) 100(-6,7.525)
  silkscreen extent -7.65,-6.35 6.35,6.8, body extent -7,-7 7,7, height 1.6
SWITCH_SPOT [mm]
  rrect50% 0.5x1 smd: 1(0,0)
  rect 0.5x1 smd: 2(1,0) 3(2,0)
TP-SM-C-100 [mm] "Test Point, Surface Mounting, Circular, Pad Diameter 1mm"
  round 1 smd: 1(0,0)
TP-SM-C-100-PIN [mm] "Test Point, Surface Mounting, Circular, Pad Diameter 1mm"
  round 1.7 hole 0.9: 1(0,0)
"TSW SMD-4*4*1.5" [mm] "轻触开关，长宽高：4*4*1.5mm"
  rect 1.6x1 smd: 1(-2.8,1.85) 1(2.8,1.85) 2(-2.8,-1.85) 2(2.8,-1.85)
  silkscreen extent -2.55,-2.55 2.55,2.55, body extent -3.2,-2.6 3.2,2.6, height 1.5
"TSW SMD-6*6*5" [mm] "6*6*5mm"
  rect 2.7x1 smd: 1(-4.4,2.261)
  oval 2.7x1 smd: 2(-4.4,-2.239) 3(4.4,-2.239) 4(4.4,2.261)
  silkscreen extent -2.79,-2.79 2.79,2.79, body extent -4.5,-3 4.5,3, height 4.95
USB3.0-i [mm] "USB 3.0 Type A Horizontal"
  round 1.3 hole 0.7: 1(-3.5,5.54) 2(-1,5.54) 3(1,5.54) 4(3.5,5.54) 5(4,7.04) 6(2,7.04) 7(0,7.04) 8(-2,7.04) 9(-4,7.04)
  round 3.3 hole 2.3: Shell(-6.57,3.54) Shell(6.57,3.54)
  silkscreen extent -7.55,-8.24 7.55,8.24, body extent -7.74,-8.24 7.74,8.31, height 8.03
XH2.54-2P [mm] "接插件，2P"
  rect 1.7x1.7 hole 0.9: 1(0,0)
  round 1.7 hole 0.9: 2(2.54,0)
  silkscreen extent -2.54,-3.51 5.01,2.37, body extent -2.5,-3.3 5.04,2.4, height 7.05
XH2.54-3P [mm] "接插件，3P"
  rect 1.7x1.7 hole 0.9: 1(0,0)
  round 1.7 hole 0.9: 2(2.54,0) 3(5.08,0)
  silkscreen extent -2.41,-3.38 7.47,2.39, body extent -2.5,-3.3 7.58,2.4, height 7.03
XH2.54-4P [mm] "接插件，4P"
  rect 1.7x1.7 hole 0.9: 1(0,0)
  round 1.7 hole 0.9: 2(2.54,0) 3(5.08,0) 4(7.62,0)
  silkscreen extent -2.49,-3.45 9.88,2.49, body extent -2.5,-3.3 10.12,2.4, height 7.03
XH2.54-6P [mm] "接插件，6P"
  rect 1.7x1.7 hole 0.9: 1(0,0)
  round 1.7 hole 0.9: 2(2.54,0) 3(5.08,0) 4(7.62,0) 5(10.16,0) 6(12.7,0)
  silkscreen extent -2.39,-3.43 14.91,2.39, body extent -2.5,-3.3 15.2,2.4, height 7.03
XTAL-3225-4P [mm] "3.2*2.5*0.7mm(长宽高)"
  rect 1.3x1.2 smd: 1(-1.05,-0.85) 2(1.05,-0.85) 3(1.05,0.85) 4(-1.05,0.85)
  silkscreen extent -2.03,-1.75 1.91,1.65, body extent -1.6,-1.25 1.6,1.25, height 0.7
XTAL-5032-4P [mm]
  rect 1.5x1.2 smd: 1(-2.108,-1.27) 2(2.108,-1.27) 3(2.108,1.27) 4(-2.108,1.27)
  silkscreen extent -3.35,-2.95 3.15,2.11, body extent -2.5,-1.6 2.5,1.6, height 1